# KiCad board PROC099A_PCB-PcbDoc.kicad_pcb (continued)
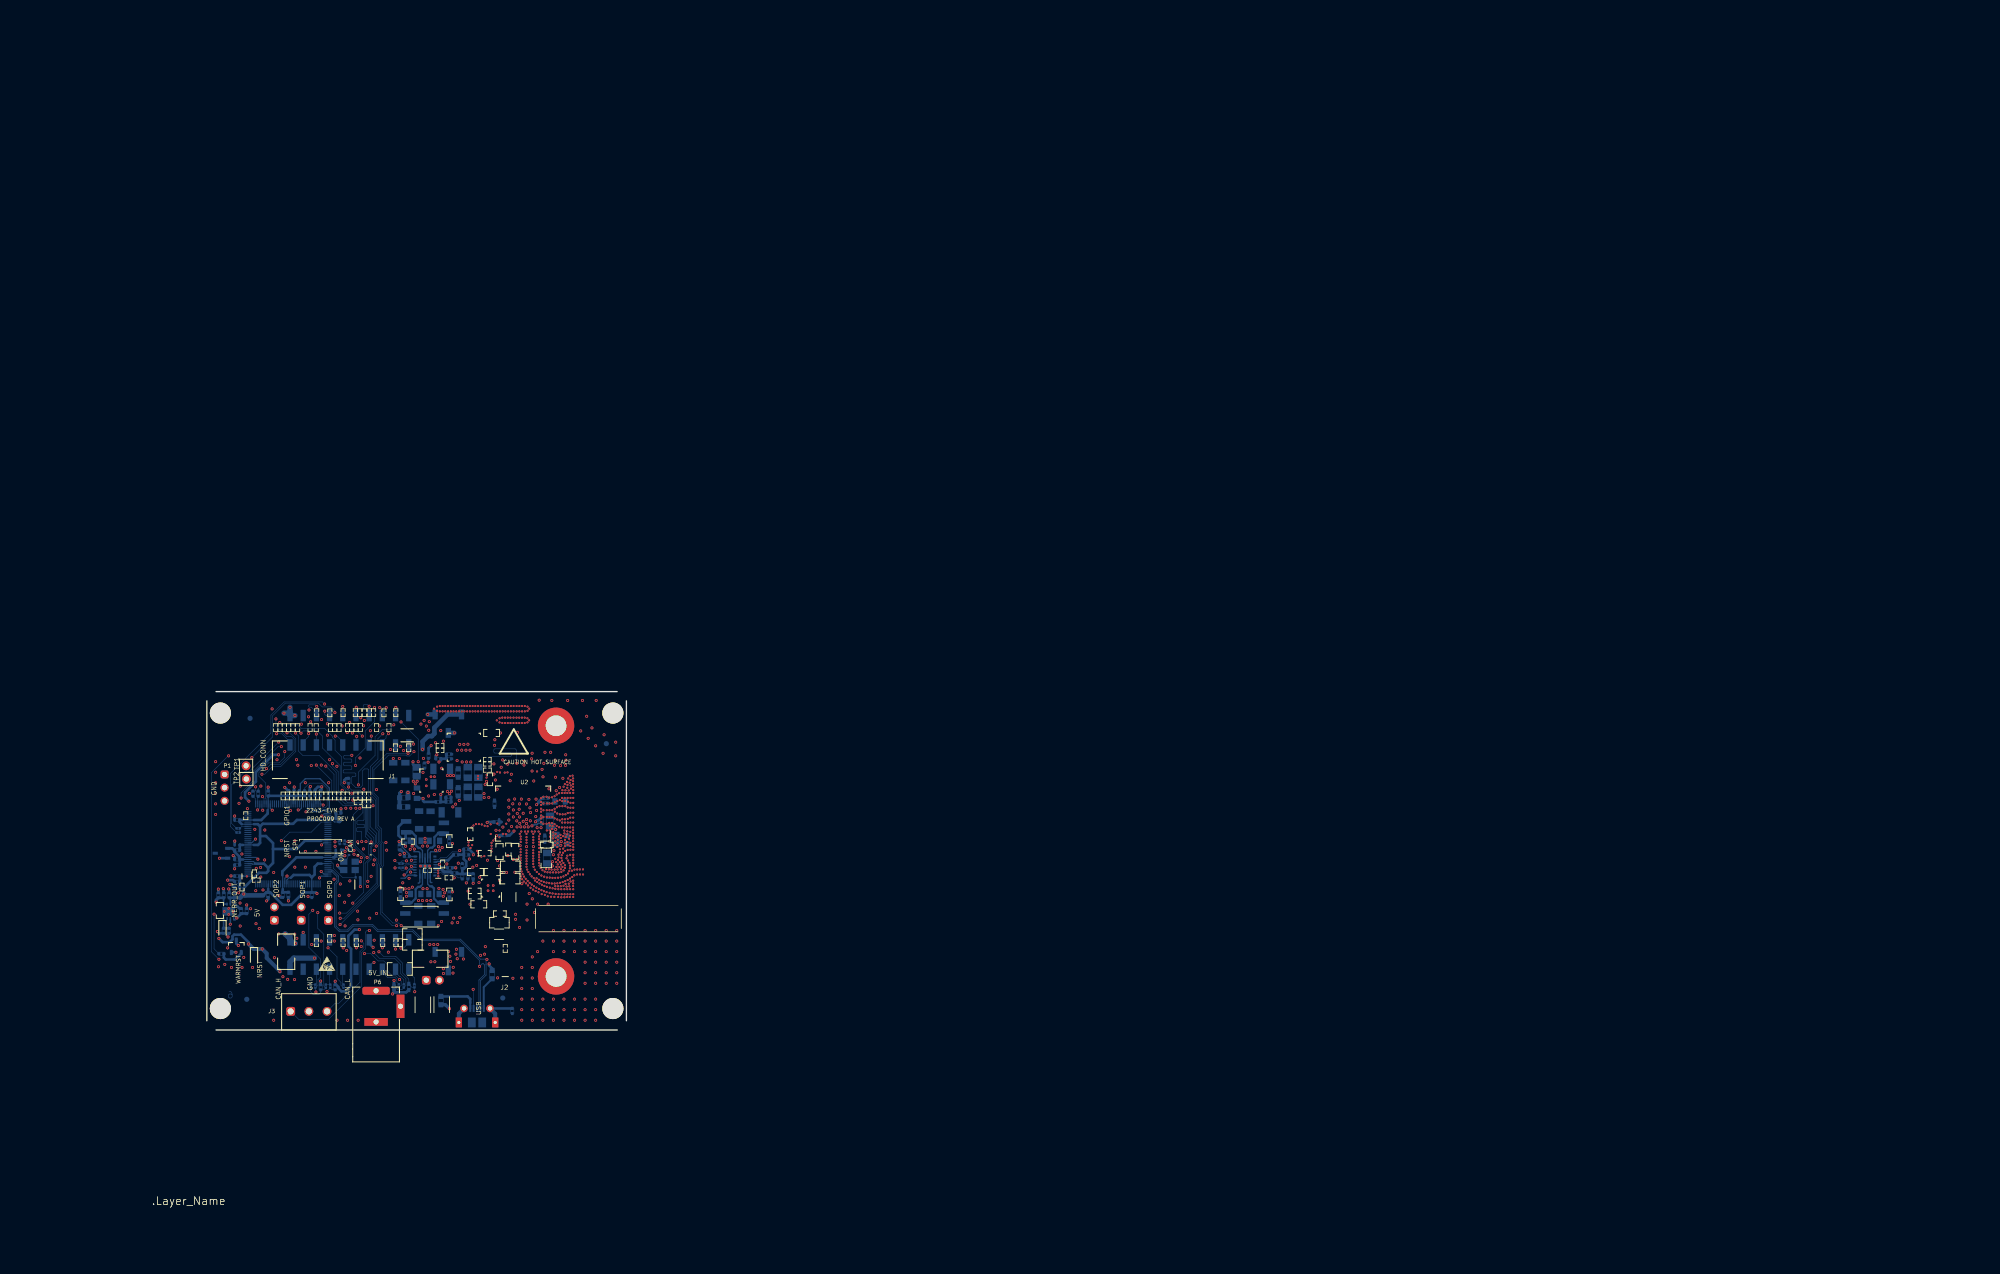
[diagram p0: board, top side]
## Routing (per net, layer and track width the routed paths; a pad name or vN(x,y) marks a point on that pad's centre or on a via; arc(x,y) is an arc through that point) (continued)
15.31,57.47 14.51,57.47 14.51,58.97 ; 58.74,10.69 58.74,12.49 58.94,12.49 58.94,10.69 58.74,10.69 ; 26.69,58.97 27.49,58.97 27.49,57.47 26.69,57.47 26.69,58.97 ; 30.01,24.5 30.71,24.5 30.71,22.7 30.01,22.7 30.01,24.5 ; 28.18,60.34 28.18,61.84 28.98,61.84 28.98,60.34 28.18,60.34 ; 25.05,57.47 25.85,57.47 25.85,58.97 25.05,58.97 25.05,57.47 ; 36.73,24.92 37.83,24.92 37.83,27.42 36.73,27.42 36.73,24.92 ; 17.91,34.12 17.91,36.62 25.91,36.62 25.91,34.12 17.91,34.12 ; 55.8,47.61 55.8,49.41 56.5,49.41 56.5,47.61 55.8,47.61 ; 40.08,5.94 43.08,5.94 43.08,2.24 40.08,2.24 40.08,5.94 ; 46.13,37.63 47.23,37.63 47.23,35.13 46.13,35.13 46.13,37.63 ; 26.63,60.34 26.63,61.84 25.83,61.84 25.83,60.34 26.63,60.34 ; 21.46,57.47 21.46,58.97 20.66,58.97 20.66,57.47 21.46,57.47 ; 58.6,33.5 58.6,36 57.5,36 57.5,33.5 58.6,33.5 ; 14.29,45.82 15.09,45.82 15.09,44.32 14.29,44.32 14.29,45.82 ; 68.59,53.49 68.59,54.29 67.09,54.29 67.09,53.49 68.59,53.49
  In6.Cu w0.1: 38.61,60.25 38.61,61.23 39.12,61.23 39.12,60.25 ; 26.42,11.99 26.42,11.01 25.91,11.01 25.91,11.99 ; 21.34,60.25 21.34,61.23 20.83,61.23 20.83,60.25 ; 15.75,55.17 15.75,54.19 16.26,54.19 16.26,55.17 ; 20.83,11.99 20.83,11.01 21.34,11.01 21.34,11.99 ; 36.07,60.25 36.07,61.23 36.58,61.23 36.58,60.25 ; 44.2,60.25 44.2,61.26 43.69,61.26 43.69,60.25 ; 18.29,55.17 18.29,54.19 18.8,54.19 18.8,55.17 ; 25.91,55.17 25.91,54.19 26.42,54.19 26.42,55.17 ; 34.04,11.99 34.04,11.01 33.53,11.01 33.53,11.99 ; 36.07,55.17 36.07,54.19 36.58,54.19 36.58,55.17 ; 18.8,17.07 18.8,18.05 18.29,18.05 18.29,17.07 ; 20.83,17.07 20.83,18.05 21.34,18.05 21.34,17.07 ; 25.91,17.07 25.91,18.05 26.42,18.05 26.42,17.07 ; 36.07,17.07 36.07,18.05 36.58,18.05 36.58,17.07 ; 28.45,60.25 28.45,61.23 28.96,61.23 28.96,60.25 ; 39.12,17.07 39.12,18.05 38.61,18.05 38.61,17.07 ; 20.83,55.17 20.83,54.19 21.34,54.19 21.34,55.17 ; 16.26,60.25 16.26,61.23 15.75,61.23 15.75,60.25 ; 34.04,55.17 34.04,54.19 33.53,54.19 33.53,55.17 ; 23.37,60.25 23.37,61.23 23.88,61.23 23.88,60.25 ; 16.26,11.99 16.26,11.01 15.75,11.01 15.75,11.99 ; 18.29,11.99 18.29,11.01 18.8,11.01 18.8,11.99 ; 34.04,60.25 34.04,61.23 33.53,61.23 33.53,60.25 ; 28.45,11.99 28.45,11.01 28.96,11.01 28.96,11.99 ; 16.26,17.07 16.26,18.05 15.75,18.05 15.75,17.07 ; 39.12,55.17 39.12,54.19 38.61,54.19 38.61,55.17 ; 36.07,11.99 36.07,11.01 36.58,11.01 36.58,11.99 ; 25.91,60.25 25.91,61.23 26.42,61.23 26.42,60.25 ; 30.99,55.17 30.99,54.19 31.5,54.19 31.5,55.17 ; 39.12,11.99 39.12,11.01 38.61,11.01 38.61,11.99 ; 23.37,11.99 23.37,11.01 23.88,11.01 23.88,11.99 ; 28.45,55.17 28.45,54.19 28.96,54.19 28.96,55.17 ; 31.5,17.07 31.5,18.05 30.99,18.05 30.99,17.07 ; 23.37,17.07 23.37,18.05 23.88,18.05 23.88,17.07 ; 28.45,17.07 28.45,18.05 28.96,18.05 28.96,17.07 ; 33.53,17.07 33.53,18.05 34.04,18.05 34.04,17.07 ; 18.29,60.25 18.29,61.23 18.8,61.23 18.8,60.25 ; 30.99,11.99 30.99,11.01 31.5,11.01 31.5,11.99 ; 48.77,60.25 48.77,61.26 49.28,61.26 49.28,60.25 ; 46.23,57.71 46.23,56.69 46.74,56.69 46.74,57.71 ; 30.99,60.25 30.99,61.23 31.5,61.23 31.5,60.25 ; 23.88,55.17 23.88,54.19 23.37,54.19 23.37,55.17 ; 1.91,14.34 3.71,14.34 3.71,15.04 1.91,15.04 1.91,14.34 ; 42.34,51.9 42.34,53.7 43.04,53.7 43.04,51.9 42.34,51.9 ; 26.7,7.69 26.7,9.19 25.9,9.19 25.9,7.69 26.7,7.69 ; 20.49,7.68 21.29,7.68 21.29,9.18 20.49,9.18 20.49,7.68 ; 45.61,43.57 47.41,43.57 47.41,44.27 45.61,44.27 45.61,43.57 ; 44.33,7.21 45.78,7.21 45.78,4.11 44.33,4.11 44.33,7.21 ; 21.19,44.68 21.19,46.48 20.49,46.48 20.49,44.68 21.19,44.68 ; 38.13,31.65 38.13,32.45 36.63,32.45 36.63,31.65 38.13,31.65 ; 24.43,42.12 26.23,42.12 26.23,41.42 24.43,41.42 24.43,42.12 ; 64.32,43.27 66.12,43.27 66.12,43.97 64.32,43.97 64.32,43.27 ; 2.66,21.28 2.66,24.38 5.76,24.38 5.76,21.28 2.66,21.28 ; 46.32,35.43 47.02,35.43 47.02,37.23 46.32,37.23 46.32,35.43 ; 21.56,9.12 22.26,9.12 22.26,7.32 21.56,7.32 21.56,9.12 ; 2.88,20.01 3.58,20.01 3.58,18.21 2.88,18.21 2.88,20.01 ; 19.86,25.1 19.86,26.9 20.56,26.9 20.56,25.1 19.86,25.1 ; 43.52,45.95 43.52,48.65 46.92,48.65 46.92,45.95 43.52,45.95 ; 26.93,35.39 26.93,36.89 26.13,36.89 26.13,35.39 26.93,35.39 ; 2.91,25.04 2.91,26.84 3.61,26.84 3.61,25.04 2.91,25.04 ; 63.92,39.11 65.02,39.11 65.02,41.61 63.92,41.61 63.92,39.11 ; 3.96,25.05 4.66,25.05 4.66,26.85 3.96,26.85 3.96,25.05 ; 9.55,44.59 10.25,44.59 10.25,46.39 9.55,46.39 9.55,44.59 ; 47.67,51.03 49.12,51.03 49.12,47.93 47.67,47.93 47.67,51.03 ; 48.84,28.68 49.54,28.68 49.54,30.48 48.84,30.48 48.84,28.68 ; 14.74,55.17 40.14,55.17 40.14,60.25 14.74,60.25 14.74,55.17 ; 19.16,44.68 19.16,46.48 18.46,46.48 18.46,44.68 19.16,44.68 ; 8.02,21.99 8.02,23.79 7.32,23.79 7.32,21.99 8.02,21.99 ; 4.94,32.13 6.74,32.13 6.74,31.43 4.94,31.43 4.94,32.13 ; 14.74,11.99 40.14,11.99 40.14,17.07 14.74,17.07 14.74,11.99 ; 16.12,44.68 16.12,46.48 15.42,46.48 15.42,44.68 16.12,44.68 ; 39.4,47.95 41.4,47.95 41.4,51.5 39.4,51.5 39.4,47.95 ; 39.55,7.75 39.55,9.25 40.35,9.25 40.35,7.75 39.55,7.75 ; 5.25,35.28 5.25,35.98 6.45,35.98 6.45,35.28 5.25,35.28 ; 43.52,48.94 46.92,48.94 46.92,51.64 43.52,51.64 43.52,48.94 ; 12.15,25.12 12.15,26.92 11.45,26.92 11.45,25.12 12.15,25.12 ; 17.45,44.68 17.45,46.48 18.15,46.48 18.15,44.68 17.45,44.68 ; 54.83,42.32 55.93,42.32 55.93,44.82 54.83,44.82 54.83,42.32 ; 14.27,26.93 14.97,26.93 14.97,25.13 14.27,25.13 14.27,26.93 ; 24.36,9.12 25.06,9.12 25.06,7.32 24.36,7.32 24.36,9.12 ; 26.23,40.37 26.23,41.07 24.43,41.07 24.43,40.37 26.23,40.37 ; 45.72,52.74 47.52,52.74 47.52,53.44 45.72,53.44 45.72,52.74 ; 19.61,9.18 20.41,9.18 20.41,7.68 19.61,7.68 19.61,9.18 ; 23.36,7.68 23.36,9.18 24.16,9.18 24.16,7.68 23.36,7.68 ; 36.57,7.74 37.37,7.74 37.37,9.24 36.57,9.24 36.57,7.74 ; 47.67,47.41 49.12,47.41 49.12,44.31 47.67,44.31 47.67,47.41 ; 38.62,35.58 38.62,37.38 37.92,37.38 37.92,35.58 38.62,35.58 ; 59.15,2.77 59.15,4.57 58.45,4.57 58.45,2.77 59.15,2.77 ; 8.52,44.6 9.22,44.6 9.22,46.4 8.52,46.4 8.52,44.6 ; 37.61,33.79 39.41,33.79 39.41,33.09 37.61,33.09 37.61,33.79 ; 68.65,38.14 70.1,38.14 70.1,35.04 68.65,35.04 68.65,38.14 ; 36.37,45.46 39.47,45.46 39.47,44.01 36.37,44.01 36.37,45.46 ; 41.3,25.47 41.3,26.92 39.1,26.92 39.1,25.47 41.3,25.47 ; 28.53,29.66 29.58,29.66 29.58,29.11 28.53,29.11 28.53,29.66 ; 5.28,38.43 6.78,38.43 6.78,39.23 5.28,39.23 5.28,38.43 ; 50.84,34.45 50.84,35.15 49.04,35.15 49.04,34.45 50.84,34.45 ; 6.27,22 6.27,23.8 6.97,23.8 6.97,22 6.27,22 ; 43.67,51.88 43.67,52.58 45.47,52.58 45.47,51.88 43.67,51.88 ; 37.45,34.27 37.45,36.07 36.75,36.07 36.75,34.27 37.45,34.27 ; 45.44,43.57 45.44,44.27 43.64,44.27 43.64,43.57 45.44,43.57 ; 45.89,31.58 47.69,31.58 47.69,30.88 45.89,30.88 45.89,31.58 ; 4.95,29.97 6.75,29.97 6.75,29.27 4.95,29.27 4.95,29.97 ; 22.51,7.68 23.31,7.68 23.31,9.18 22.51,9.18 22.51,7.68 ; 49.88,30.49 50.58,30.49 50.58,28.69 49.88,28.69 49.88,30.49 ; 21.49,44.68 21.49,46.48 22.19,46.48 22.19,44.68 21.49,44.68 ; 11.47,44.63 11.47,46.43 12.17,46.43 12.17,44.63 11.47,44.63 ; 57.03,39.49 57.03,40.59 54.53,40.59 54.53,39.49 57.03,39.49 ; 39.96,33.87 44.06,33.87 44.06,29.27 39.96,29.27 39.96,33.87 ; 4.95,34.95 6.75,34.95 6.75,34.25 4.95,34.25 4.95,34.95 ; 68.16,34.9 68.16,38.45 66.16,38.45 66.16,34.9 68.16,34.9 ; 45.11,40.55 48.51,40.55 48.51,43.25 45.11,43.25 45.11,40.55 ; 56.07,38.04 58.57,38.04 58.57,36.94 56.07,36.94 56.07,38.04 ; 69.11,43.28 69.11,44.73 66.91,44.73 66.91,43.28 69.11,43.28 ; 41.54,50.01 42.24,50.01 42.24,51.81 41.54,51.81 41.54,50.01 ; 6.78,37.62 6.78,38.42 5.28,38.42 5.28,37.62 6.78,37.62 ; 25.17,35.39 25.97,35.39 25.97,36.89 25.17,36.89 25.17,35.39 ; 4.63,18.21 4.63,20.01 3.93,20.01 3.93,18.21 4.63,18.21 ; 36.33,42.24 36.33,43.69 39.43,43.69 39.43,42.24 36.33,42.24 ; 48.57,29.88 48.57,30.58 46.77,30.58 46.77,29.88 48.57,29.88 ; 37.63,25.26 37.63,27.06 36.93,27.06 36.93,25.26 37.63,25.26 ; 47.08,33.41 47.08,34.11 48.88,34.11 48.88,33.41 47.08,33.41 ; 44.82,25.47 44.82,26.92 42.62,26.92 42.62,25.47 44.82,25.47 ; 4.95,27.09 6.75,27.09 6.75,27.79 4.95,27.79 4.95,27.09 ; 19.47,46.48 20.17,46.48 20.17,44.68 19.47,44.68 19.47,46.48 ; 15.36,25.13 15.36,26.93 16.06,26.93 16.06,25.13 15.36,25.13 ; 47.42,44.46 47.42,45.16 45.62,45.16 45.62,44.46 47.42,44.46 ; 50.93,28.68 50.93,30.48 51.63,30.48 51.63,28.68 50.93,28.68 ; 64.5,35.59 64.5,38.09 65.6,38.09 65.6,35.59 64.5,35.59 ; 45.72,51.88 47.52,51.88 47.52,52.58 45.72,52.58 45.72,51.88 ; 27.65,33.57 27.65,34.62 27.1,34.62 27.1,33.57 27.65,33.57 ; 24.73,34.3 25.93,34.3 25.93,35 24.73,35 24.73,34.3 ; 48.83,32.46 49.53,32.46 49.53,30.66 48.83,30.66 48.83,32.46 ; 4.94,32.48 4.94,33.18 6.74,33.18 6.74,32.48 4.94,32.48 ; 26.23,33.2 26.23,33.9 24.43,33.9 24.43,33.2 26.23,33.2 ; 38.33,7.04 39.43,7.04 39.43,9.54 38.33,9.54 38.33,7.04 ; 26.92,47.07 27.62,47.07 27.62,48.87 26.92,48.87 26.92,47.07 ; 50.84,33.42 50.84,34.12 49.04,34.12 49.04,33.42 50.84,33.42 ; 37.52,7.74 38.32,7.74 38.32,9.24 37.52,9.24 37.52,7.74 ; 8.61,28.83 8.61,42.83 22.61,42.83 22.61,28.83 8.61,28.83 ; 36.63,30.82 36.63,31.62 38.13,31.62 38.13,30.82 36.63,30.82 ; 46.34,25.21 46.34,27.01 47.04,27.01 47.04,25.21 46.34,25.21 ; 50.3,57.71 50.3,60.25 42.68,60.25 42.68,57.71 50.3,57.71 ; 39.12,35.72 41.32,35.72 41.32,37.17 39.12,37.17 39.12,35.72 ; 1.87,25.03 1.87,26.83 2.57,26.83 2.57,25.03 1.87,25.03 ; 42.71,35.69 42.71,37.14 44.91,37.14 44.91,35.69 42.71,35.69 ; 16.44,46.18 17.14,46.18 17.14,44.98 16.44,44.98 16.44,46.18 ; 4.95,28.89 6.75,28.89 6.75,28.19 4.95,28.19 4.95,28.89 ; 64.32,44.29 64.32,44.99 66.12,44.99 66.12,44.29 64.32,44.29 ; 35.47,7.04 35.47,9.54 36.57,9.54 36.57,7.04 35.47,7.04 ; 5,25.05 5.7,25.05 5.7,26.85 5,26.85 5,25.05
  In5.Cu w0.127: 37.73,23.81 44.51,23.81 44.51,19.82 37.73,19.82 ; 33.44,28.19 33.44,28.34 ; 33.44,28.19 33.44,28.34 ; 33.44,28.19 33.44,27.83 ; 33.44,28.34 33.44,29.84 ; 29.28,25.64 29.28,25.01 28.9,25.01 28.9,25.64 ; 29.28,25.64 28.9,25.64 ; 29.28,25.64 29.28,26.06 28.9,26.06 28.9,25.64 ; 31.44,30.39 31.82,30.39 ; 31.44,30.39 31.44,29.96 31.82,29.96 31.82,30.39 ; 31.44,30.39 31.44,31.01 31.82,31.01 31.82,30.39 ; 30.55,30.39 30.55,31.01 30.17,31.01 30.17,30.39 ; 30.55,30.39 30.55,29.96 30.17,29.96 30.17,30.39 ; 30.55,30.39 30.17,30.39 ; 28.54,27.68 28.54,26.19 ; 28.54,27.68 28.54,27.83 ; 28.54,27.68 28.54,27.83 ; 31.44,25.64 31.82,25.64 ; 31.44,25.64 31.44,25.01 31.82,25.01 31.82,25.64 ; 31.44,25.64 31.44,26.06 31.82,26.06 31.82,25.64 ; 28.54,28.19 28.54,28.34 ; 28.54,28.19 28.54,28.34 ; 28.54,28.19 28.54,27.83 ; 28.54,28.34 28.54,29.84 ; 33.31,29.96 28.67,29.96 ; 29.28,30.39 29.28,29.96 28.9,29.96 28.9,30.39 ; 29.28,30.39 29.28,31.01 28.9,31.01 28.9,30.39 ; 29.28,30.39 28.9,30.39 ; 32.71,30.39 32.71,29.96 33.09,29.96 33.09,30.39 ; 32.71,30.39 32.71,31.01 33.09,31.01 33.09,30.39 ; 32.71,30.39 33.09,30.39 ; 30.55,25.64 30.55,26.06 30.17,26.06 30.17,25.64 ; 30.55,25.64 30.55,25.01 30.17,25.01 30.17,25.64 ; 30.55,25.64 30.17,25.64 ; 32.71,25.64 33.09,25.64 ; 32.71,25.64 32.71,26.06 33.09,26.06 33.09,25.64 ; 32.71,25.64 32.71,25.01 33.09,25.01 33.09,25.64 ; 33.31,26.06 28.67,26.06 ; 33.44,26.19 33.44,27.68 ; 33.44,27.83 33.44,27.68 ; 33.44,27.83 33.44,27.68 ; 63.27,19.54 63.27,23.35 ; 63.91,18.9 79.15,18.9 ; 63.91,23.98 79.15,23.98 ; 79.78,19.54 79.78,23.35 ; 14.27,19.86 14.27,24.94 11.73,24.94 11.73,19.86 14.27,19.86 ; 6.29,49.59 8.83,49.59 8.83,52.13 6.29,52.13 6.29,49.59 ; 54.44,19.64 54.44,21.68 58.2,21.68 58.2,19.64 54.44,19.64 ; 19.44,19.87 19.44,24.95 16.9,24.95 16.9,19.87 19.44,19.87 ; 22.13,19.84 22.13,24.92 24.67,24.92 24.67,19.84 22.13,19.84 ; 6.34,47.05 8.88,47.05 8.88,49.59 6.34,49.59 6.34,47.05 ; 56.53,30.48 60.29,30.48 60.29,32.51 56.53,32.51 56.53,30.48 ; 40.96,10.86 46.04,10.86 46.04,8.32 40.96,8.32 40.96,10.86 ; 64.34,31.25 66.37,31.25 66.37,35.01 64.34,35.01 64.34,31.25 ; 56.51,30.16 60.27,30.16 60.27,28.13 56.51,28.13 56.51,30.16
  In6.Cu w0.127: 51.25,47.68 49.22,47.68 49.22,43.92 51.25,43.92 ; 51.25,47.68 51.25,43.92 ; 51.25,47.68 51.25,43.92 ; 51.25,47.68 53.28,47.68 53.28,43.92 51.25,43.92 ; 55.78,-0.69 55.78,4.01 54.83,4.01 54.83,4.31 49.23,4.31 49.23,4.01 48.28,4.01 48.28,-0.69 ; 55.78,-0.69 55.23,-0.69 ; 55.78,-0.69 56.13,-0.84 56.01,-1.12 55.65,-0.96 ; 51.25,51.47 53.28,51.47 53.28,47.71 51.25,47.71 ; 51.25,51.47 51.25,47.71 ; 51.25,51.47 51.25,47.71 ; 51.25,51.47 49.22,51.47 49.22,47.71 51.25,47.71 ; 55.48,-0.69 55.48,-0.69 ; 48.83,-0.76 48.83,-0.69 ; 48.83,-0.76 48.83,-0.77 48.84,-0.79 48.85,-0.81 48.86,-0.83 48.88,-0.84 48.9,-0.85 48.92,-0.86 48.95,-0.87 48.98,-0.88 49.01,-0.88 49.03,-0.88 55.03,-0.88 55.05,-0.88 55.08,-0.88 55.11,-0.87 55.14,-0.86 55.16,-0.85 55.18,-0.84 55.2,-0.82 55.21,-0.81 55.22,-0.79 55.23,-0.77 55.23,-0.76 ; 48.83,-0.76 48.83,-0.99 48.83,-1.01 48.84,-1.03 48.85,-1.04 48.86,-1.06 48.88,-1.07 48.9,-1.09 48.92,-1.1 48.95,-1.11 48.98,-1.11 49.01,-1.12 49.03,-1.12 55.03,-1.12 55.05,-1.12 55.08,-1.11 55.11,-1.11 55.14,-1.1 55.16,-1.09 55.18,-1.07 55.2,-1.06 55.21,-1.04 55.22,-1.02 55.23,-1.01 55.23,-0.99 55.23,-0.76 ; 48.83,-0.69 55.23,-0.69 ; 48.83,-0.69 48.28,-0.69 ; 55.23,-0.69 55.23,-0.76 ; 48.28,-0.69 47.93,-0.84 48.05,-1.12 48.4,-0.96 ; 48.58,-0.69 48.58,-0.69 ; 64.5,31.2 64.5,34.96 66.53,34.96 66.53,31.2 64.5,31.2 ; 67.08,38.35 67.08,42.11 65.05,42.11 65.05,38.35 67.08,38.35
  In12.Cu w0.152: 137.13,145.01 137.13,168.2 ; 150.71,167.61 150.71,145.01 150.71,168.2 ; 92.79,152.49 219.03,152.49 ; 194.89,144.97 194.89,168.17 ; 109.67,167.64 109.67,145.03 109.67,168.23 ; 219.03,144.99 219.03,168.22 92.79,168.22 92.79,145 219.03,145 ; 92.79,159.98 219.03,159.98 ; 164.3,145 164.3,168.2
  In10.Cu w0.153: 329.79,67.43 332.12,67.43 332.12,69.68 329.79,69.68 329.79,67.43 ; 334.25,81.64 336.59,81.64 336.59,79.39 334.25,79.39 334.25,81.64
  In10.Cu w0.203: 308.02,131.16 312.09,131.16 ; 314.76,82.8 336.17,82.8 ; 305.01,109.96 323.02,109.96 ; 288.02,113.78 288.02,116.83 ; 329.18,131.16 333.25,131.16 ; 298.55,143.34 303.76,143.34 ; 319.81,46.71 336.95,46.71 ; 320.3,117.53 337.03,117.53 ; 284.97,113.85 288.02,113.85 ; 298.55,146.47 303.76,146.47 ; 284.97,113.78 284.97,116.83 ; 322.84,92.84 334.73,92.84 ; 319.03,121.09 337.04,121.09 ; 315.53,67.13 335.38,67.13 ; 298.55,140.16 303.76,140.16 ; 305.01,102.61 323.02,102.61 ; 329.18,128.46 333.25,128.46 ; 320.81,78.8 337.14,78.8 ; 284.97,116.9 288.02,116.9 ; 305.49,121.25 305.49,124.29 308.54,124.29 308.54,121.25 305.49,121.25 ; 277.3,120.48 280.35,120.48 280.35,117.44 277.3,117.44 277.3,120.48 ; 307.72,46.44 307.72,49.49 310.77,49.49 310.77,46.44 307.72,46.44 ; 280.12,99.66 283.16,99.66 283.16,96.61 280.12,96.61 280.12,99.66 ; 320.35,31.84 323.4,31.84 323.4,28.79 320.35,28.79 320.35,31.84 ; 283.95,59.02 287,59.02 287,62.06 283.95,62.06 283.95,59.02 ; 291.36,49.49 294.4,49.49 294.4,46.44 291.36,46.44 291.36,49.49 ; 282.91,124.29 285.96,124.29 285.96,121.25 282.91,121.25 282.91,124.29 ; 268.71,121.31 271.76,121.31 271.76,124.35 268.71,124.35 268.71,121.31 ; 308.13,78.83 311.18,78.83 311.18,81.88 308.13,81.88 308.13,78.83 ; 305.95,59.02 309,59.02 309,62.06 305.95,62.06 305.95,59.02 ; 270.73,53.17 273.78,53.17 273.78,50.13 270.73,50.13 270.73,53.17 ; 288.02,106.39 288.02,109.44 284.97,109.44 284.97,106.39 288.02,106.39 ; 264.91,19.79 267.96,19.79 267.96,16.74 264.91,16.74 264.91,19.79 ; 264.91,28.04 267.96,28.04 267.96,24.99 264.91,24.99 264.91,28.04 ; 293.62,28.79 296.67,28.79 296.67,31.84 293.62,31.84 293.62,28.79 ; 264.94,20.92 264.94,23.96 267.99,23.96 267.99,20.92 264.94,20.92 ; 321.61,70.32 321.61,73.37 318.56,73.37 318.56,70.32 321.61,70.32 ; 292.35,92.88 292.35,95.93 295.4,95.93 295.4,92.88 292.35,92.88 ; 318.89,50.13 318.89,53.17 315.84,53.17 315.84,50.13 318.89,50.13 ; 293.1,74.89 293.1,77.94 296.14,77.94 296.14,74.89 293.1,74.89 ; 327.88,50.17 327.88,53.21 324.83,53.21 324.83,50.17 327.88,50.17 ; 303,96.61 306.05,96.61 306.05,99.66 303,99.66 303,96.61 ; 293.1,78.83 296.14,78.83 296.14,81.88 293.1,81.88 293.1,78.83 ; 287,62.57 287,65.62 283.95,65.62 283.95,62.57 287,62.57 ; 308.12,77.94 311.17,77.94 311.17,74.89 308.12,74.89 308.12,77.94 ; 305.31,28.79 308.36,28.79 308.36,31.84 305.31,31.84 305.31,28.79 ; 289.77,85.43 292.82,85.43 292.82,82.38 289.77,82.38 289.77,85.43 ; 302.75,82.38 305.8,82.38 305.8,85.43 302.75,85.43 302.75,82.38 ; 283.95,70.32 287,70.32 287,73.37 283.95,73.37 283.95,70.32 ; 284.97,110.07 288.02,110.07 288.02,113.12 284.97,113.12 284.97,110.07 ; 309.99,120.48 313.03,120.48 313.03,117.44 309.99,117.44 309.99,120.48 ; 264.91,15.58 267.96,15.58 267.96,12.53 264.91,12.53 264.91,15.58 ; 266.01,69.81 269.06,69.81 269.06,66.76 266.01,66.76 266.01,69.81 ; 311.21,92.93 314.25,92.93 314.25,95.97 311.21,95.97 311.21,92.93 ; 289.79,89.37 292.84,89.37 292.84,86.32 289.79,86.32 289.79,89.37 ; 307.71,50.13 310.76,50.13 310.76,53.17 307.71,53.17 307.71,50.13 ; 288.02,102.7 288.02,105.75 284.97,105.75 284.97,102.7 288.02,102.7 ; 302.75,86.32 302.75,89.37 305.8,89.37 305.8,86.32 302.75,86.32 ; 286.52,32.57 286.52,35.62 283.47,35.62 283.47,32.57 286.52,32.57 ; 301.73,66.76 304.78,66.76 304.78,69.81 301.73,69.81 301.73,66.76
  In5.Cu w0.254: 83.38,-29.57 83.38,-24.41 ; 29.86,-39.9 29.86,-24.41 ; -32.75,-24.41 -32.75,-39.9 134.94,-39.9 134.94,-24.41 -32.73,-24.41 -32.73,-39.9 7.28,-39.9 ; 99.18,-40.07 99.18,-34.92 ; -32.75,-29.57 134.94,-29.57 ; -32.75,-34.74 134.89,-34.74 ; 62.05,-29.57 62.05,-24.41
  In6.Cu w0.254: -32.71,-34.75 134.93,-34.75 ; 18.8,-29.59 18.8,-24.42 ; 3,-40.08 3,-34.93 ; 94.9,-39.92 134.92,-39.92 134.92,-24.42 -32.76,-24.42 -32.76,-39.92 134.93,-39.92 134.93,-24.42 ; 40.14,-29.59 40.14,-24.42 ; -32.76,-29.59 134.93,-29.59 ; 72.32,-39.92 72.32,-24.42
  In9.Cu w0.254: 300.01,-39.65 300.01,-24.41 ; -37.81,15.34 -32.73,15.34 ; 261.78,-32.03 337.98,-32.03 ; 338.11,-39.9 338.11,-9.42 ; 338.11,-39.9 338.11,191.24 -32.73,191.24 -32.73,-39.9 338.11,-39.9 ; 279.69,-44.98 279.69,-39.9 ; 261.78,-9.17 337.98,-9.17 ; 261.78,-9.17 261.78,11.01 338.11,11.01 ; 261.78,-9.17 261.78,-24.41 ; 216.19,191.24 216.19,196.32 ; 89.19,191.24 89.19,196.32 ; 216.19,-44.98 216.19,-39.9 ; 152.69,-44.98 152.69,-39.9 ; -37.81,75.67 -32.73,75.67 ; 338.11,75.67 343.19,75.67 ; 25.69,-44.98 25.69,-39.9 ; 261.78,-24.41 337.98,-24.41 ; 261.78,-24.41 135.22,-24.41 135.22,-39.9 ; 261.78,-24.41 261.78,-39.9 ; -37.81,135.99 -32.73,135.99 ; 25.69,191.24 25.69,196.32 ; 338.11,135.99 343.19,135.99 ; 279.69,191.24 279.69,196.32 ; 89.19,-44.98 89.19,-39.9 ; 152.69,191.24 152.69,196.32 ; 261.78,-16.79 337.98,-16.79 ; 338.11,15.34 343.19,15.34 ; 261.8,-1.7 338,-1.7 ; 343.19,-44.98 343.19,196.32 -37.81,196.32 -37.81,-44.98 343.19,-44.98
  In10.Cu w0.254: 120.17,35.8 123.49,35.8 123.49,32.75 120.12,32.75 120.12,35.8 ; 120.17,17.96 123.49,17.96 123.49,14.91 120.12,14.91 120.12,17.96 120.17,17.96 ; 120.12,19.68 120.12,22.73 123.49,22.73 123.49,19.68 120.12,19.68
  In11.Cu w0.254: 62.05,-29.57 62.05,-24.41 ; 7.28,-39.9 -32.73,-39.9 -32.73,-24.41 134.94,-24.41 134.94,-39.9 -32.75,-39.9 -32.75,-24.41 ; -32.75,-34.74 134.89,-34.74 ; -32.75,-29.57 134.94,-29.57 ; 29.86,-39.9 29.86,-24.41 ; 99.18,-40.07 99.18,-34.92 ; 83.38,-29.57 83.38,-24.41
  In12.Cu w0.254: -18.67,172.4 77.61,172.4 ; -9.96,139.38 -9.96,185.1 ; -9.96,139.38 9.76,139.38 ; -9.96,139.38 -18.67,139.38 -18.67,185.1 77.61,185.1 77.61,139.38 53.87,139.38 ; -18.67,141.92 77.61,141.92 ; -18.67,159.7 77.61,159.7 ; 77.61,149.54 -18.67,149.54 ; -18.67,174.94 77.61,174.94 ; -18.67,182.56 77.61,182.56 ; -18.67,154.62 77.61,154.62 ; 9.76,139.38 9.76,185.1 ; 9.76,139.38 27.99,139.38 ; -17.95,186.93 5.03,186.93 ; 77.61,157.16 -18.67,157.16 ; -18.67,162.24 77.61,162.24 ; 53.87,139.38 53.87,185.1 ; 53.87,139.38 41.78,139.38 ; -18.67,180.02 77.61,180.02 ; -18.67,144.46 77.61,144.46 ; 77.61,169.86 -18.67,169.86 ; 77.61,164.78 -18.67,164.78 ; -18.67,147 77.61,147 ; 41.78,139.38 41.78,185.1 ; 41.78,139.38 27.99,139.38 ; 27.99,139.38 27.99,185.1 ; 77.61,152.08 -18.67,152.08 ; 77.61,167.32 -18.67,167.32 ; 77.61,177.48 -18.67,177.48
  In12.Cu w0.381: -22.73,146.18 -29.15,146.18 -29.15,176.59 -27.65,176.59 ; -22.73,171.52 -24.8,171.52 -24.8,176.54 -22.73,176.54 ; 93.82,169.64 118.82,169.64 ; 92.12,169.4 92.12,173.14 88.74,173.14 88.74,169.4 92.12,169.4 ; -22.14,175.12 -19.55,175.12 -19.55,178.17 -22.14,178.17 -22.14,175.12
  In10.Cu w0.508: 261.79,128.04 337.77,128.04 ; 261.79,149.44 337.76,149.44 ; 261.79,11.01 337.76,11.01 337.76,152.75 261.79,152.75 261.79,11.01
  vias: v1(46.32,45.91)
